# KiCad board keyboard.kicad_pcb (continued)
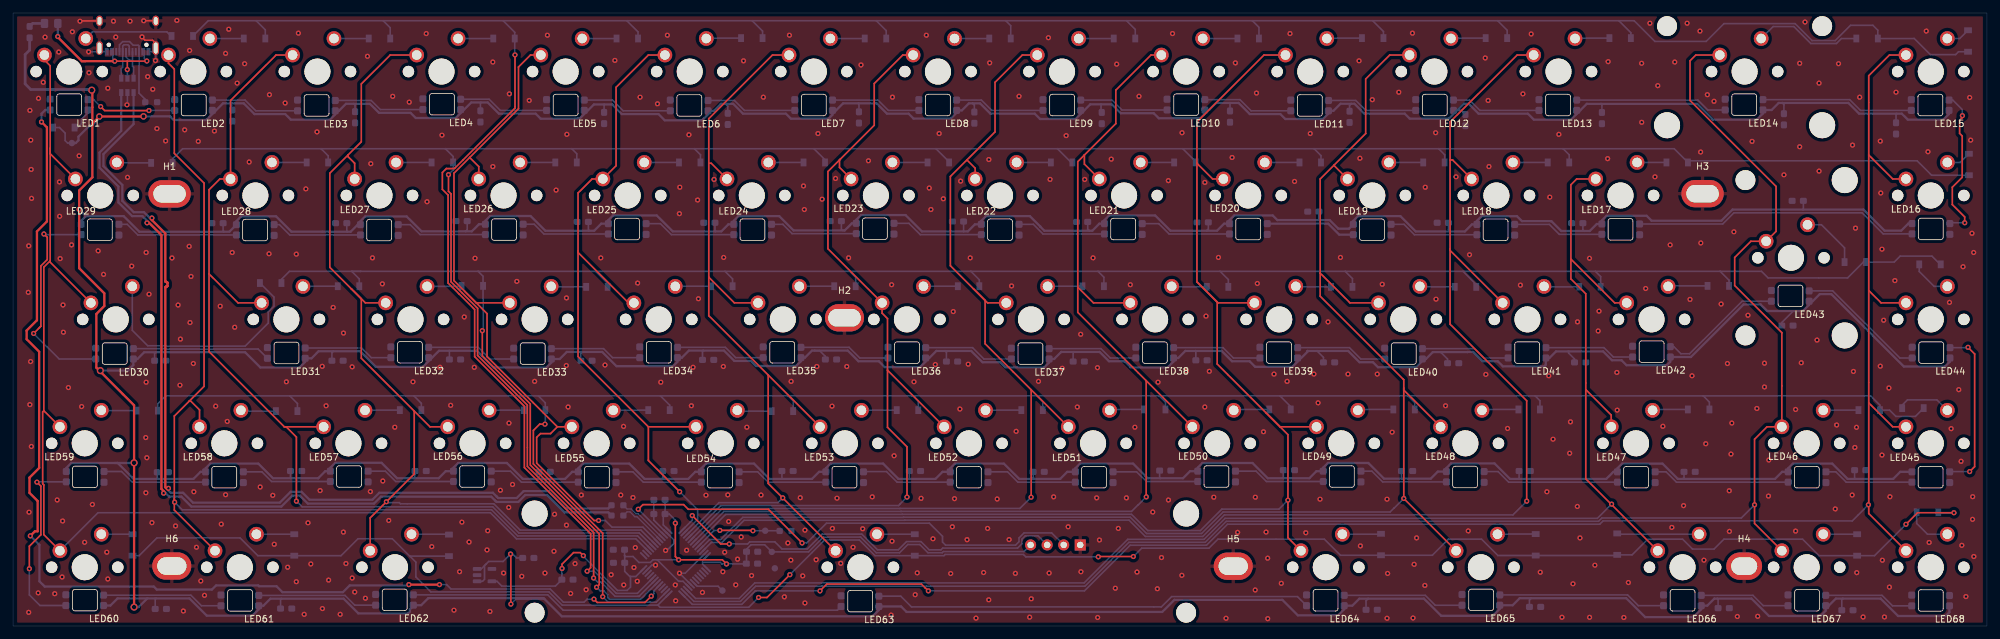
[diagram p0: board, top side]
## Routing (per net, layer and track width the routed paths; a pad name or vN(x,y) marks a point on that pad's centre or on a via; arc(x,y) is an arc through that point) (continued)
col2: length 155.6
  Top w0.25: 41.65,30.62 30.09,42.18 30.09,54.11 ; 41.65,30.62 41.92,30.62 43.5,29.04 v1(43.5,19.19) ; 41.65,30.62 K_46.1 ; 30.09,54.11 30.09,67.07 31.74,68.72 K_16.1 33.39,80.78 40.38,87.77 K_2.1 ; 30.09,54.11 34.53,49.67 K_31.1
  Bottom w0.25: v1(43.5,19.19) 44.38,18.31 73.64,18.31 77.65,14.29 96.12,14.29 U3.29
col3: length 152.6
  Top w0.25: 51.93,51.83 54.09,49.67 K_32.1 ; 51.93,51.83 48.63,55.13 48.63,69.61 51.42,72.4 ; 51.93,51.83 53.46,50.3 53.46,41.16 61.58,33.03 ; 61.58,33.03 61.58,23.38 v1(57.3,19.1) 54.82,16.62 K_61.1 ; 61.58,33.03 64,30.62 K_47.1 ; 51.42,72.4 51.42,72.15 52.44,71.13 K_17.1 ; 51.42,72.4 53.46,74.43 53.46,83.32 57.9,87.77 K_3.1
  Bottom w0.25: U3.30 96.38,14.74 77.84,14.74 73.8,18.78 59.48,18.78 59.3,18.96 57.44,18.96 v1(57.3,19.1)
col4: length 115.3
  Top w0.25: 70.09,72.02 77.59,79.51 77.59,85.93 79.42,87.77 K_4.1 ; 70.09,72.02 71.49,70.62 K_18.1 ; 70.09,72.02 67.68,69.61 67.68,53.1 69.33,51.45 ; 69.33,51.45 71.11,49.67 K_33.1 ; 69.33,51.45 72.76,48.02 72.76,41.41 83.56,30.62 ; 83.56,30.62 K_48.1 ; 83.56,30.62 82.51,29.58 80.96,29.58 80.38,28.99 80.38,25.03 89.2,16.22 v1(89.88,16.22)
  Bottom w0.25: U3.31 98.91,12.96 96.67,15.19 91.94,15.19 90.91,16.22 v1(89.88,16.22)
col5: length 109.2
  Top w0.25: 97.53,30.62 K_49.1 ; 97.53,30.62 97.53,25.44 v1(102.33,20.64) ; 97.53,30.62 86.73,41.41 86.73,57.67 ; K_5.1 97.53,87.77 92.57,82.82 92.57,70.75 K_19.1 88.89,68.72 86.73,66.56 86.73,57.67 ; 86.73,57.67 86.73,57.42 94.48,49.67 K_34.1
  Bottom w0.25: U3.38 105.09,16.4 105.09,17.87 v1(102.33,20.64)
col6: length 132.2
  Top w0.25: 106.8,53.61 110.73,49.67 K_35.1 ; 106.8,53.61 106.8,71.13 ; 106.8,53.61 106.8,47.7 115.91,38.59 ; K_6.1 116.58,87.77 106.8,77.99 106.8,71.13 ; 115.91,38.59 K_50.1 ; 115.91,38.59 115.91,21.92 118.14,19.69 ; 118.14,19.69 K_62.1 ; 118.14,19.69 v1(118.15,19.7) ; K_20.1 107.18,71.13 106.8,71.13
  Bottom w0.25: v1(118.15,19.7) 117.41,18.96 108.37,18.96 U3.39
col7: length 131.5
  Top w0.25: 134.23,39.32 134.23,30.54 137.23,27.55 v1(137.23,19.82) ; 134.23,39.32 K_51.1 ; 134.23,39.32 134.23,47.26 133.4,48.08 K_36.1 125.08,57.99 125.08,69.86 126.99,71.77 ; 126.99,71.77 132.2,76.97 132.2,83.39 136.57,87.77 K_7.1 ; 126.99,71.77 126.86,71.64 126.86,70.5 K_21.1
  Bottom w0.25: v1(137.23,19.82) 136.16,18.76 136.16,18.73 135.94,18.51 108.62,18.51 U3.40
col8: length 152.3
  Top w0.25: K_37.1 149.59,49.67 147.44,51.83 ; 156.28,36.31 K_52.1 ; 156.28,36.31 149.21,43.38 149.21,50.05 147.44,51.83 ; 156.28,36.31 156.28,19.8 v1(156.28,19.8) ; 146.42,71.64 147.69,70.37 K_22.1 ; 146.42,71.64 143.88,69.1 143.88,55.38 147.44,51.83 ; 146.42,71.64 150.74,75.96 150.74,83.58 154.93,87.77 K_8.1
  Bottom w0.25: v1(156.28,19.8) 154.55,18.07 136.13,18.07 136.12,18.06 108.88,18.06 U3.41
col9: length 174.6
  Top w0.25: 173.93,37.71 K_53.1 ; 173.93,37.71 173.93,19.87 v1(173.95,19.85) ; 173.93,37.71 163.44,48.21 163.44,52.08 ; 163.44,52.08 165.85,49.67 K_38.1 ; 163.44,52.08 163.44,71.39 164.45,72.4 ; K_23.1 164.45,71.01 164.45,72.4 ; K_9.1 174.67,87.77 169.28,82.37 169.28,77.23 164.45,72.4
  Bottom w0.25: v1(173.95,19.85) 172.73,18.63 172.71,18.63 171.7,17.62 136.32,17.62 136.31,17.61 109.14,17.61 U3.42
col10: length 209.9
  Top w0.25: 192.36,32.75 184.84,40.27 184.84,49.8 181.76,52.88 ; 192.36,32.75 194.49,30.62 K_54.1 ; 192.36,32.75 195.7,29.41 195.7,13.57 K_63.1 ; 181.73,71.13 181.73,77.48 192.01,87.77 K_10.1 ; 181.73,71.13 181.73,52.91 181.76,52.88 ; 181.73,71.13 184.14,68.72 K_24.1 ; 181.76,52.88 184.97,49.67 K_39.1
  Bottom w0.25: v1(195.7,19.34) 194.32,17.97 185.56,17.97 182.26,14.67 174.18,14.67 171.68,17.17 136.51,17.17 136.5,17.16 109.39,17.16 U3.43
col11: length 227.7
  Top w0.25: K_11.1 211.32,87.77 207.63,84.09 207.63,75.7 202.81,70.88 ; K_40.1 205.22,49.67 200.64,54.25 ; K_64.1 v1(213.48,19.6) 213.48,36.59 ; K_25.1 202.81,70.75 202.81,70.88 ; 202.81,70.88 200.64,68.71 200.64,54.25 ; 213.48,36.59 213.48,36.27 K_55.1 ; 213.48,36.59 213.48,37.86 200.64,50.69 200.64,54.25
  Bottom w0.25: v1(213.48,19.6) 212,18.13 211.98,18.13 211.37,17.52 185.75,17.52 182.45,14.22 174,14.22 171.49,16.72 136.69,16.72 136.67,16.7 112.03,16.7 108.62,13.3 106.94,13.3 U3.45
col12: length 228.2
  Top w0.25: K_41.1 220.59,57.73 220.59,58 ; 220.59,71.64 220.97,71.64 K_26.1 ; 220.59,71.64 220.59,58 ; 220.59,71.64 220.59,77.48 230.88,87.77 K_12.1 ; 220.59,58 220.59,46.39 232.35,34.63 v1(232.35,19.19)
  Bottom w0.25: v1(232.35,19.19) 230.23,17.07 185.93,17.07 182.63,13.77 173.81,13.77 171.31,16.27 136.88,16.27 136.86,16.25 112.21,16.25 108.81,12.85 107.2,12.85 U3.46
col13: length 233.3
  Top w0.25: 245.35,18.68 241.42,22.62 241.42,36.33 ; 245.35,18.68 245.35,18.71 v1(245.38,18.73) ; 245.35,18.68 K_65.1 ; 239.13,56.4 239.13,67.83 240.02,68.72 K_27.1 ; 239.13,56.4 239.13,53.35 241.42,51.07 241.42,36.33 ; 239.13,56.4 245.86,49.67 K_42.1 ; 241.42,36.33 245.32,32.43 K_56.1
  Bottom w0.25: U3.10 104.78,4.23 111.47,4.23 113.86,6.62 164.41,6.62 171.1,13.32 182.82,13.32 186.05,16.55 243.19,16.55 v1(245.38,18.73)
col14: length 268.6
  Top w0.25: K_13.1 258.31,87.77 257.42,86.88 257.42,80.78 270.63,67.58 270.63,60.67 K_28.1 266.77,59.14 264.28,56.65 264.28,52.34 271.51,45.1 K_57.1 269.23,30.62 267.32,28.71 v1(267.32,18.63) 267.32,15.76 K_66.1
  Bottom w0.25: v1(267.32,18.63) 265.29,16.6 243.88,16.6 243.38,16.1 186.23,16.1 183,12.86 171.29,12.86 164.54,6.12 140.8,6.12 140.8,6.12 140.2,6.12 140.2,6.12 124.17,6.12 124.17,6.12 114,6.12 111.66,3.78 104.52,3.78 U3.11
col15: length 293.5
  Top w0.25: 284.85,72.4 284.85,84.59 288.02,87.77 K_14.1 ; 284.85,72.4 288.53,68.72 K_29.1 ; 284.85,72.4 284.85,51.57 ; 284.85,34.3 284.85,18.68 ; 284.85,34.3 284.85,51.57 ; 284.85,34.3 288.53,30.62 K_58.1 ; 284.85,18.68 284.85,17.28 K_67.1 ; 284.85,18.68 v1(284.8,18.63) ; v1(140.5,5.4) 140.03,5.87 140,5.87 139.44,6.44 124.91,6.44 v1(123.86,5.4) ; 284.85,51.57 286.75,49.67 K_43.1
  Bottom w0.25: v1(140.5,5.4) 164.46,5.4 171.47,12.41 183.19,12.41 186.42,15.65 243.57,15.65 244.07,16.15 255.84,16.15 255.84,16.14 263.36,16.14 263.37,16.15 282.32,16.15 v1(284.8,18.63) ; v1(123.86,5.4) 113.93,5.4 111.86,3.33 104.26,3.33 U3.12
D+: length 141.4
  Top w0.35: v1(21.32,62.71) 21.32,62.4 23.38,60.33 23.38,53.04 23.38,53.01 23.39,52.97 23.41,52.94 23.44,52.91 23.47,52.89 23.51,52.88 23.58,52.87 23.61,52.86 23.65,52.84 23.67,52.81 23.69,52.78 23.7,52.75 23.71,52.71 23.71,52.34 23.7,52.31 23.69,52.27 23.67,52.24 23.65,52.21 23.61,52.19 23.58,52.18 23.51,52.17 23.47,52.16 23.44,52.14 23.41,52.11 23.39,52.08 23.38,52.05 23.38,52.01 23.38,21.32 23.54,21.16 v1(23.86,21.16)
  Bottom w0.35: R3.1 91.38,18.07 84.9,18.07 82.23,20.73 78.38,20.73 77.31,19.67 74.47,19.67 74.26,19.88 73.66,20.48 56.23,20.48 55.16,19.41 45.5,19.41 44.28,20.63 42.61,20.63 40.94,18.96 27.62,18.96 26.1,20.48 24.22,20.48 23.86,20.84 v1(23.86,21.16) ; U1.1 18.51,77.16 13.88,72.53 13.88,70.7 16.77,67.8 16.77,65.36 18.53,63.61 20.1,63.61 21,62.71 v1(21.32,62.71)
D-: length 141.5
  Top w0.35: v1(20.57,61.97) 20.89,61.97 22.78,60.09 22.78,21.07 23.11,20.74 v1(23.11,20.42)
  Bottom w0.35: R2.2 91.38,17.47 84.65,17.47 81.98,20.13 78.62,20.13 77.56,19.07 74.22,19.07 74.01,19.28 73.41,19.88 56.48,19.88 55.41,18.81 45.25,18.81 44.03,20.03 42.86,20.03 41.19,18.36 27.37,18.36 25.85,19.88 23.97,19.88 23.43,20.42 v1(23.11,20.42) ; v1(20.57,61.97) 20.57,62.29 19.85,63.01 18.28,63.01 16.17,65.11 16.17,67.55 13.28,70.45 13.28,72.78 16.61,76.11 U1.3
LED-IN: length 178.1
  Top w0.25: v1(89.17,4.13) 89.68,3.62 97,3.62 v1(97.97,4.58)
  Top w0.35: v1(2.66,13.86) 3.35,14.55 3.78,14.55 3.78,19.21 2.53,20.46 2.53,22.81 4.01,24.29 4.01,42.16 2.08,44.09 2.08,45.41 3.67,47 3.67,60.65 5.2,62.19 5.2,76.65 v1(4.37,77.48) ; v1(60.76,6.36) v1(65.46,6.36)
  Bottom w0.25: v1(89.17,4.13) 88.12,4.13 87.66,3.66 84.48,3.66 82.45,5.69 67.24,5.69 66.56,6.36 v1(65.46,6.36) ; U3.17 99.27,6.29 98.37,5.39 98.37,4.98 v1(97.97,4.58)
  Bottom w0.35: LED1.3 4.94,79.32 4.37,78.75 v1(4.37,77.48) ; v1(2.66,13.86) 4.05,12.46 4.05,6.87 4.86,6.06 21.61,6.06 22.07,5.6 30.53,5.6 31.17,6.24 37.64,6.24 37.77,6.11 40.44,6.11 41.35,5.2 50.64,5.2 51.68,6.24 60.63,6.24 v1(60.76,6.36)
MCU-D+: length 8
  Bottom w0.2: R3.2 94.25,17.99 94.89,17.99 95.64,17.24 95.97,17.24 99.59,13.63 U3.33
MCU-D-: length 7.6
  Bottom w0.2: U3.32 99.27,13.31 95.78,16.79 95.45,16.79 94.71,17.54 94.25,17.54 R2.1
NRST: length 5
  Bottom w0.25: TP3.1 108.23,6.11 105.01,6.11 U3.7
row0: length 429.7
  Top w0.25: v1(88.13,8.42) 88.67,8.96 88.67,14.18 78.5,24.35 78.5,33.77 70.86,41.4 70.86,48.65 66.78,52.73 66.78,66.25 66.77,66.26 66.77,66.26 65.9,67.12 65.9,69.71 66.51,70.32 67.75,70.32 77.05,79.62 v1(77.05,87.79)
  Bottom w0.25: D_6.1 134.04,91.52 132.51,93.04 ; 94.29,93.04 94.29,92.98 95.94,91.33 D_4.1 ; 94.29,93.04 113.46,93.04 ; 94.29,93.04 75.24,93.04 ; 152.39,93.04 170.93,93.04 ; 152.39,93.04 132.51,93.04 ; 152.39,93.04 153.15,92.28 D_7.1 ; 170.93,93.04 172.26,91.71 D_8.1 ; 170.93,93.04 190.24,93.04 ; 190.24,93.04 208.71,93.04 ; 190.24,93.04 191.25,92.03 D_9.1 ; 208.71,93.04 210.36,91.39 D_10.1 ; 208.71,93.04 227.89,93.04 ; U3.20 95.84,5.02 92.59,5.02 89.2,8.42 v1(88.13,8.42) ; D_12.1 248.34,91.2 246.5,93.04 ; 56.82,93.04 75.24,93.04 ; 56.82,93.04 37.33,93.04 ; 56.82,93.04 57.9,91.96 D_2.1 ; 75.24,93.04 77.01,91.26 D_3.1 77.01,87.83 v1(77.05,87.79) ; 227.89,93.04 246.5,93.04 ; 227.89,93.04 229.35,91.58 D_11.1 ; 113.46,93.04 132.51,93.04 ; 113.46,93.04 115.05,91.45 D_5.1 ; 37.33,93.04 29.96,93.04 27.61,90.69 ; 37.33,93.04 38.72,91.64 D_1.1 ; 246.5,93.04 248.85,93.04 252.02,89.86 259.89,89.86 262.62,92.6 273.55,92.6 276.15,89.99 279.71,89.99 282.06,92.34 285.49,92.34 286.25,91.58 D_13.1 291.84,90.31 294.31,87.83 298.19,87.83 298.63,88.28 D_14.1
row1: length 393.6
  Top w0.25: v1(89.12,7.38) 89.12,14.37 78.95,24.54 78.95,33.95 71.31,41.59 71.31,48.83 67.23,52.91 67.23,66.43 66.84,66.82 v1(66.84,69.38)
  Bottom w0.25: D_24.1 200.77,72.3 199.71,73.37 ; 199.71,73.37 218.82,73.37 ; 199.71,73.37 179.55,73.37 ; 218.82,73.37 237.94,73.37 ; 218.82,73.37 219.76,72.43 D_25.1 ; 95.96,4.57 96.17,4.57 ; 95.96,4.57 96.1,4.57 U3.19 ; 95.96,4.57 92.41,4.57 90.24,6.74 89.75,6.74 v1(89.12,7.38) ; v1(66.84,69.38) 67.55,70.09 67.55,72.17 66.36,73.37 ; D_22.1 162.42,71.26 160.31,73.37 ; D_21.1 143.69,71.35 141.67,73.37 ; 179.55,73.37 181.53,71.39 D_23.1 ; 179.55,73.37 160.31,73.37 ; 160.31,73.37 141.67,73.37 ; D_15.1 24.5,71.83 26.04,73.37 47.28,73.37 ; 237.94,73.37 254.99,73.37 D_27.1 257.35,71.51 292.28,71.51 294.5,69.29 D_29.1 ; 237.94,73.37 238.87,72.43 D_26.1 ; 141.67,73.37 122.94,73.37 ; 47.28,73.37 48.38,72.28 D_16.1 ; 47.28,73.37 66.36,73.37 ; D_19.1 105.52,72.43 104.59,73.37 ; 85.76,73.37 86.54,72.59 D_18.1 ; 85.76,73.37 66.36,73.37 ; 85.76,73.37 104.59,73.37 ; 122.94,73.37 124.64,71.67 D_20.1 ; 122.94,73.37 104.59,73.37
row2: length 358.8
  Top w0.25: v1(72.03,45.4) 72.03,41.5 79.4,34.14 79.4,24.74 89.97,14.16 89.97,6.36 v1(89.57,5.96)
  Bottom w0.25: D_42.1 263.41,53.15 262.04,54.52 ; 242.89,54.52 243.7,53.71 D_41.1 ; 242.89,54.52 222.57,54.52 ; 242.89,54.52 262.04,54.52 ; D_33.1 91.28,52.67 89.42,54.52 ; D_39.1 205.6,53.4 204.48,54.52 ; 109.29,54.52 110.45,53.35 D_34.1 ; 109.29,54.52 128.44,54.52 ; 109.29,54.52 89.42,54.52 ; 222.57,54.52 204.48,54.52 ; 222.57,54.52 224.6,52.49 D_40.1 ; D_38.1 186.55,53.25 185.28,54.52 ; 166.54,54.52 167.45,53.61 D_37.1 ; 166.54,54.52 185.28,54.52 ; 166.54,54.52 147.03,54.52 ; D_43.1 295.82,55.59 294.55,56.86 289.68,56.86 288.76,55.94 D_28.1 284.04,55.94 281.6,53.5 269.41,53.5 268.39,54.52 262.04,54.52 ; D_30.1 41.2,53.29 42.43,54.52 53.37,54.52 ; 185.28,54.52 204.48,54.52 ; 71.39,54.52 72.15,53.76 D_32.1 72.15,45.52 v1(72.03,45.4) ; 71.39,54.52 89.42,54.52 ; 71.39,54.52 53.37,54.52 ; 128.44,54.52 147.03,54.52 ; 128.44,54.52 129.35,53.61 D_35.1 ; 147.03,54.52 148.32,53.23 D_36.1 ; D_31.1 53.15,53.35 51.98,54.52 53.37,54.52 ; U3.18 96.35,4.12 91.54,4.12 91.3,4.36 91.3,4.79 90.7,5.4 90.13,5.4 v1(89.57,5.96)
row3: length 351.4
  Top w0.25: v1(81.65,31.03) 80.84,31.03 79.87,30.06 79.87,24.9 90.51,14.26 v1(90.51,4.51)
  Bottom w0.25: 214.14,35.37 233.64,35.37 ; 214.14,35.37 194.48,35.37 ; 214.14,35.37 215.18,34.33 D_54.1 ; 233.64,35.37 234.38,34.63 D_55.1 ; 233.64,35.37 259.45,35.37 ; 175.93,35.37 176.9,34.4 D_52.1 ; 175.93,35.37 194.48,35.37 ; 175.93,35.37 157.19,35.37 ; D_45.1 43.65,34.2 42.48,35.37 ; v1(90.51,4.51) 91.35,3.67 97.8,3.67 97.81,3.66 98.72,3.66 U3.14 ; D_53.1 196.13,33.72 194.48,35.37 ; 118.99,35.37 137.99,35.37 ; 118.99,35.37 99.38,35.37 ; 118.99,35.37 119.75,34.61 D_49.1 ; 137.99,35.37 138.19,35.37 138.95,34.61 D_50.1 ; 137.99,35.37 157.19,35.37 ; 157.19,35.37 158.08,34.48 D_51.1 ; 61.53,35.37 62.68,34.23 D_46.1 ; 61.53,35.37 80.63,35.37 ; 61.53,35.37 42.48,35.37 ; 99.38,35.37 100.8,33.95 D_48.1 ; 99.38,35.37 80.63,35.37 ; v1(81.65,31.03) 81.7,31.08 D_47.1 81.7,34.3 80.63,35.37 ; 42.48,35.37 23.43,35.37 22.24,34.17 D_44.1 ; 259.45,35.37 260.39,34.43 D_56.1 ; 259.45,35.37 285.15,35.37 286.58,33.95 D_57.1 288.05,33.18 289.02,32.22 292.01,32.22 D_58.1
row4: length 315.3
  Top w0.25: v1(114.44,4.38) 115.74,4.38 v1(119.24,7.89) ; v1(297.93,17.41) 292.34,17.41 v1(290.57,15.63) ; v1(166.59,10.63) 166.64,10.68 v1(171.97,10.68)
  Bottom w0.25: v1(119.24,7.89) 124.58,13.22 129.91,13.22 132.32,10.81 D_62.1 142.88,10.81 143.07,10.99 155.1,10.99 155.46,10.63 v1(166.59,10.63) ; 60.88,10.74 60.95,10.68 60.98,10.68 61.84,9.82 61.84,7.53 64.13,5.24 82.27,5.24 84.29,3.21 98.98,3.21 ; 60.88,10.74 58.22,13.41 52.95,13.41 50.34,10.81 D_60.1 37.58,10.81 34.85,13.54 22.09,13.54 19.36,10.81 D_59.1 ; 60.88,10.74 D_61.1 ; D_67.1 295.59,17.41 v1(297.93,17.41) ; 98.98,3.21 99.32,2.88 112.94,2.88 v1(114.44,4.38) ; 98.98,3.21 U3.13 ; v1(171.97,10.68) 173.26,11.96 183.57,11.96 184.95,13.35 201.28,13.35 203.76,10.87 D_63.1 217.86,10.87 220.33,13.35 225.41,13.35 227.93,10.83 D_64.1 246.14,10.83 D_65.1 248.53,10.93 250.94,13.35 256.27,13.35 257.8,11.82 261.1,11.82 262.62,13.35 274.69,13.35 277.23,10.81 D_66.1 285.74,10.81 v1(290.57,15.63)
SWCLK: length 64.7
  Top w0.25: v1(104.26,16.98) 108.62,12.61 v1(109.95,12.61)
  Bottom w0.25: v1(104.26,16.98) 104.26,16.27 103.97,15.98 103.97,15.98 U3.37 ; v1(109.95,12.61) 112.76,12.61 113.09,12.93 116.94,12.93 118.03,11.84 121.92,11.84 124.2,14.12 130.28,14.12 132.69,11.71 135.89,11.71 137.15,12.97 139.37,12.97 140.63,11.71 142.44,11.71 142.71,11.98 154.2,11.98 154.87,12.65 154.87,13.35 155.37,13.86 157.34,13.86 J2.3
SWDIO: length 78.7
  Top w0.25: v1(95.98,17.94) 96.69,18.66 102.94,18.66 103.65,17.95 115.94,17.95 v1(121.12,12.76)
  Bottom w0.25: J2.2 159.43,14.31 155.19,14.31 154.42,13.53 154.42,12.96 153.89,12.43 143.14,12.43 142.67,12.9 142.67,13.79 140.67,15.8 124.86,15.8 122.76,13.7 122.76,13.69 121.83,12.76 v1(121.12,12.76) ; 99.94,13.98 v1(95.98,17.94)
Net-(D1-Pad2): length 2.5
  Bottom w0.425: D1.2 3.01,92.63 F1.2
Net-(D_0-Pad2): length 13.8
  Bottom w0.25: K_0.2 12.18,91.33 23.61,91.33 24.25,90.69
Net-(D_1-Pad2): length 5.2
  Bottom w0.25: K_1.2 D_1.2
Net-(D_2-Pad2): length 5.3
  Bottom w0.25: 49.27,90.31 D_2.2
Net-(D_3-Pad2): length 5.4
  Bottom w0.25: K_3.2 D_3.2
Net-(D_4-Pad2): length 5.3
  Bottom w0.25: D_4.2 K_4.2
Net-(D_5-Pad2): length 5.4
  Bottom w0.25: K_5.2 106.48,90.37 D_5.2
Net-(D_6-Pad2): length 5.3
  Bottom w0.25: D_6.2 K_6.2
Net-(D_7-Pad2): length 5.3
  Bottom w0.25: D_7.2 144.52,90.31
Net-(D_8-Pad2): length 5.4
  Bottom w0.25: D_8.2 K_8.2
Net-(D_9-Pad2): length 5.3
  Bottom w0.25: D_9.2 K_9.2
Net-(D_10-Pad2): length 5.4
  Bottom w0.25: D_10.2 201.73,90.37 K_10.2
Net-(D_11-Pad2): length 5.4
  Bottom w0.25: K_11.2 220.78,90.37 D_11.2
Net-(D_12-Pad2): length 5.3
  Bottom w0.25: D_12.2 239.83,90.37 K_12.2
Net-(D_13-Pad2): length 16.8
  Bottom w0.25: K_13.2 270.18,92.14 273.36,92.14 275.96,89.54 279.89,89.54 280.66,90.31 D_13.2
Net-(D_14-Pad2): length 3.7
  Bottom w0.25: D_14.2 298.82,90.31 K_14.2
Net-(D_15-Pad2): length 5.3
  Bottom w0.25: K_15.2 15.99,71.2 D_15.2
Net-(D_16-Pad2): length 5.3
  Bottom w0.25: D_16.2 K_16.2
Net-(D_17-Pad2): length 5.5
  Bottom w0.25: D_17.2 K_17.2
Net-(D_18-Pad2): length 5.4
  Bottom w0.25: K_18.2 D_18.2
Net-(D_19-Pad2): length 5.3
  Bottom w0.25: D_19.2 K_19.2
Net-(D_20-Pad2): length 5.4
  Bottom w0.25: D_20.2 K_20.2
Net-(D_21-Pad2): length 5.4
  Bottom w0.25: D_21.2 K_21.2
Net-(D_22-Pad2): length 5.3
  Bottom w0.25: D_22.2 K_22.2
Net-(D_23-Pad2): length 5.1
  Bottom w0.25: D_23.2 K_23.2
Net-(D_24-Pad2): length 5.3
  Bottom w0.25: D_24.2 K_24.2
Net-(D_25-Pad2): length 5.3
  Bottom w0.25: D_25.2 K_25.2
Net-(D_26-Pad2): length 5.3
  Bottom w0.25: D_26.2 K_26.2
Net-(D_27-Pad2): length 4.5
  Bottom w0.25: D_27.2 K_27.2
Net-(D_28-Pad2): length 9.3
  Bottom w0.25: K_28.2 277.59,61.68 281.14,58.13 D_28.2
Net-(D_29-Pad2): length 3.9
  Bottom w0.25: D_29.2 298.88,71.26 K_29.2
Net-(D_30-Pad2): length 37.5
  Bottom w0.25: D_30.2 40.06,50.56 40.06,49.16 39.17,48.27 39.17,46.56 35.64,43.03 23.54,43.03 23.48,43.08 20.67,43.08 18.31,45.45 K_30.2
Net-(D_31-Pad2): length 5.4
  Bottom w0.25: D_31.2 44.53,52.23 K_31.2
Net-(D_32-Pad2): length 5.3
  Bottom w0.25: K_32.2 68.77,52.21 D_32.2
Net-(D_33-Pad2): length 5.4
  Bottom w0.25: K_33.2 82.68,52.13 D_33.2
Net-(D_34-Pad2): length 5.5
  Bottom w0.25: D_34.2 101.68,52.23 K_34.2
Net-(D_35-Pad2): length 5.4
  Bottom w0.25: K_35.2 120.73,52.23 D_35.2
Net-(D_36-Pad2): length 5.3
  Bottom w0.25: K_36.2 139.78,52.23 D_36.2
Net-(D_37-Pad2): length 5.4
  Bottom w0.25: K_37.2 158.83,52.23 D_37.2
Net-(D_38-Pad2): length 5.4
  Bottom w0.25: D_38.2 177.93,52.13 K_38.2
Net-(D_39-Pad2): length 5.4
  Bottom w0.25: D_39.2 196.98,52.13 K_39.2
Net-(D_40-Pad2): length 5.4
  Bottom w0.25: K_40.2 216.03,52.13 D_40.2
Net-(D_41-Pad2): length 5.4
  Bottom w0.25: K_41.2 235.08,52.13 D_41.2
Net-(D_42-Pad2): length 6.1
  Bottom w0.25: D_42.2 254.13,52.29 K_42.2
Net-(D_43-Pad2): length 6.4
  Bottom w0.25: D_43.2 292.6,54.49 294.88,52.21 K_43.2
Net-(D_44-Pad2): length 5.4
  Bottom w0.25: K_44.2 13.6,33.11 D_44.2
Net-(D_45-Pad2): length 5.4
  Bottom w0.25: D_45.2 35.1,33.03 K_45.2
Net-(D_46-Pad2): length 5.4
  Bottom w0.25: K_46.2 54.05,33.18 D_46.2
Net-(D_47-Pad2): length 5.3
  Bottom w0.25: K_47.2 73.1,33.18 D_47.2
Net-(D_48-Pad2): length 5.4
  Bottom w0.25: D_48.2 92.15,33.18 K_48.2
Net-(D_49-Pad2): length 5.3
  Bottom w0.25: K_49.2 111.3,33.03 D_49.2
Net-(D_50-Pad2): length 5.4
  Bottom w0.25: D_50.2 130.25,33.18 K_50.2
Net-(D_51-Pad2): length 5.5
  Bottom w0.25: K_51.2 149.3,33.18 D_51.2
Net-(D_52-Pad2): length 5.3
  Bottom w0.25: D_52.2 168.45,33.29 K_52.2
Net-(D_53-Pad2): length 5.5
  Bottom w0.25: K_53.2 187.5,33.29 D_53.2
Net-(D_54-Pad2): length 5.5
  Bottom w0.25: K_54.2 206.55,33.29 D_54.2
Net-(D_55-Pad2): length 5.7
  Bottom w0.25: K_55.2 225.6,33.29 D_55.2
Net-(D_56-Pad2): length 5.5
  Bottom w0.25: K_56.2 251.8,33.29 D_56.2
Net-(D_57-Pad2): length 5.4
  Bottom w0.25: 277.87,33.16 277.89,33.18 D_57.2
Net-(D_58-Pad2): length 8.4
  Bottom w0.25: D_58.2 289.98,33.95 290.79,34.76 295.31,34.76 K_58.2
Net-(D_59-Pad2): length 4.8
  Bottom w0.25: 13.55,14.11 D_59.2
Net-(D_60-Pad2): length 5.8
  Bottom w0.25: 37.36,14.11 D_60.2
Net-(D_61-Pad2): length 5.8
  Bottom w0.25: 61.17,14.11 66.85,14.11 D_61.2
Net-(D_62-Pad2): length 5.8
  Bottom w0.25: D_62.2 138.42,14.11 132.61,14.11
Net-(D_63-Pad2): length 6
  Bottom w0.25: 204.05,14.11 209.92,14.11 D_63.2
Net-(D_64-Pad2): length 5.9
  Bottom w0.25: 227.86,14.11 227.88,14.13 D_64.2
Net-(D_65-Pad2): length 12.6
  Bottom w0.25: D_65.2 246.37,14.11 258.82,14.11
Net-(D_66-Pad2): length 5.2
  Bottom w0.25: 277.87,14.11 D_66.2
Net-(D_67-Pad2): length 7.1
  Bottom w0.25: D_67.2 292.22,15.76 293.87,14.11 296.91,14.11
Net-(D_68-Pad1): length 3.8
  Bottom w0.25: D_68.1 9.9,76.62 10.51,77.23 10.51,77.89 11.48,78.86 LED1.4
Net-(J1-PadA5): length 13.6
  Bottom w0.25: J1.A5 16.34,89.34 16.83,89.83 17.89,89.83 18.44,89.28 19.21,89.28 19.34,89.15 J1.B5 19.34,81.91 20.3,80.95 R1.2
Net-(J1-PadA6): length 6.1
  Bottom w0.25: 18.34,86.94 17.9,86.94 17.34,87.5 J1.A6 ; 18.34,86.94 18.34,86.06 18.51,85.89 U1.6 ; 18.34,86.94 J1.B6
Net-(J1-PadA7): length 7.1
  Bottom w0.25: J1.A7 17.84,89.15 17.65,89.34 17.03,89.34 16.84,89.15 J1.B7 16.84,85.87 16.61,85.64 U1.4
Net-(LED1-Pad1): length 14
  Top w0.25: v1(20.87,79.23) 14.06,79.23 v1(13.45,79.84)
  Bottom w0.25: LED1.1 12.38,80.91 v1(13.45,79.84) ; v1(20.87,79.23) 20.89,79.26 LED2.3
Net-(LED2-Pad1): length 13.8
  Bottom w0.25: LED2.1 35.61,80.85 37.26,79.2 LED3.3
Net-(LED3-Pad1): length 14
  Bottom w0.25: 62.92,79.39 56.38,79.39 54.98,80.78 LED3.1
Net-(LED4-Pad1): length 13.9
  Bottom w0.25: LED4.1 73.08,80.97 74.79,79.26 LED5.3
Net-(LED5-Pad1): length 13.9
  Bottom w0.25: LED5.1 92,80.85 93.65,79.2 LED6.3
Net-(LED6-Pad1): length 14
  Bottom w0.25: LED6.1 110.73,80.78 112.26,79.26 LED7.3
Net-(LED7-Pad1): length 13.9
  Bottom w0.25: LED7.1 132.77,80.85 134.35,79.26 LED8.3
Net-(LED8-Pad1): length 13.9
  Bottom w0.25: LED9.3 150.23,79.26 148.64,80.85 LED8.1
Net-(LED10-Pad1): length 13.9
  Bottom w0.25: LED10.1 188.33,80.91 190.04,79.2 LED11.3
Net-(LED10-Pad3): length 13.9
  Bottom w0.25: LED10.3 170.23,79.32 168.71,80.85 LED9.1
Net-(LED11-Pad1): length 14
  Bottom w0.25: LED12.3 207.63,79.26 206.11,80.78 201.92,80.78
Net-(LED12-Pad1): length 13.8
  Bottom w0.25: LED13.3 225.16,79.26 223.57,80.85 LED12.1
Net-(LED13-Pad1): length 23.4
  Bottom w0.25: LED14.3 260.15,79.32 258.62,80.85 LED13.1
Net-(LED14-Pad1): length 23.5
  Bottom w0.25: LED15.3 283.58,79.26 281.93,80.91 LED14.1
Net-(LED15-Pad1): length 24.1
  Top w0.25: v1(299.23,78.45) 299.23,78.17 298.8,77.74 298.8,75.72 299.2,75.32 299.2,68.97 297.68,67.45 297.68,64.78 299.58,62.88 v1(299.58,61.99)
  Bottom w0.25: v1(299.58,61.99) 297.42,61.99 LED16.3 ; LED15.1 297.74,80.85 299.2,79.39 299.2,78.47 v1(299.23,78.45)
Net-(LED16-Pad1): length 43.9
  Bottom w0.25: LED16.1 287.07,60.27 283.83,63.51 264.15,63.51 262.43,61.8 LED17.3
Net-(LED17-Pad1): length 14
  Bottom w0.25: LED17.1 237.35,60.21 235.83,61.73 LED18.3
Net-(LED18-Pad1): length 13.9
  Bottom w0.25: LED18.1 215.11,60.15 213.51,61.75 LED19.3
Net-(LED19-Pad1): length 13.9
  Bottom w0.35: LED20.3 201.88,61.85 203.57,60.16 LED19.1
Net-(LED20-Pad1): length 14.1
  Bottom w0.25: LED20.1 177.46,60.26 175.87,61.85 LED21.3
Net-(LED21-Pad1): length 13.7
  Bottom w0.25: LED22.3 156.62,61.75 158.1,60.26 LED21.1
Net-(LED22-Pad1): length 14.1
  Bottom w0.25: LED22.1 139.26,60.16 137.52,61.9 LED23.3
Net-(LED23-Pad1): length 13.6
  Bottom w0.25: LED23.1 119.6,60.31 118.16,61.75 LED24.3
Net-(LED24-Pad1): length 14.2
  Bottom w0.25: LED25.3 99.37,61.85 101.06,60.16 LED24.1
Net-(LED25-Pad1): length 13.7
  Bottom w0.25: LED25.1 81.5,60.26 80,61.76 LED26.3
Net-(LED26-Pad1): length 14
  Bottom w0.25: LED27.3 60.96,61.7 62.49,60.17 LED26.1
Net-(LED27-Pad1): length 13.9
  Bottom w0.25: LED28.3 40.9,61.7 42.48,60.11 LED27.1
Net-(LED28-Pad1): length 18.7
  Bottom w0.25: LED29.3 17.53,61.75 19.17,60.11 LED28.1
Net-(LED29-Pad1): length 33.5
  Top w0.25: v1(4.74,60.26) 5.25,59.75 5.25,56.33 4.28,55.35 4.28,46.08 4.05,45.86 ; 4.18,45.99 4.05,45.86 ; 4.05,45.86 v1(3.16,44.97)
  Bottom w0.25: LED30.3 7.09,41.05 v1(3.16,44.97) ; LED29.1 4.84,60.16 v1(4.74,60.26)
Net-(LED30-Pad1): length 21.2
  Bottom w0.25: LED30.1 23.3,42.63 23.36,42.58 37.63,42.58 LED31.3
Net-(LED31-Pad1): length 13.8
  Bottom w0.25: LED32.3 54.99,41.25 53.51,42.73 LED31.1
Net-(LED32-Pad1): length 13.8
  Bottom w0.25: LED33.3 73.18,41.05 71.39,42.84 LED32.1
Net-(LED33-Pad1): length 14.1
  Bottom w0.25: LED34.3 92.03,41.25 90.64,42.63 LED33.1
Net-(LED34-Pad1): length 13.8
  Bottom w0.25: LED34.1 109.34,42.84 110.92,41.25 LED35.3
Net-(LED35-Pad1): length 14.1
  Bottom w0.25: LED35.1 128.34,42.84 129.97,41.2 LED36.3
Net-(LED36-Pad1): length 13.9
  Bottom w0.25: LED37.3 149.02,41.05 147.28,42.79 LED36.1
Net-(LED37-Pad1): length 13.9
  Bottom w0.25: LED38.3 168.43,41.2 166.99,42.63 LED37.1
Net-(LED38-Pad1): length 13.9
  Bottom w0.25: LED38.1 185.74,42.79 187.33,41.2 LED39.3
Net-(LED39-Pad1): length 14.1
  Bottom w0.25: LED39.1 205.14,42.79 206.88,41.05 210.55,41.05
Net-(LED40-Pad1): length 13.8
  Bottom w0.25: LED41.3 225.78,41.2 224.35,42.63 LED40.1
Net-(LED41-Pad1): length 13.9
  Bottom w0.25: LED42.3 245.65,41.35 244.21,42.79 LED41.1
Net-(LED42-Pad1): length 19.3
  Bottom w0.25: LED42.1 254.93,42.94 256.02,41.85 257.35,41.85 265.42,49.92 269.91,49.92
Net-(LED43-Pad1): length 20.1
  Bottom w0.25: LED44.3 289.63,41.2 279.32,51.51 LED43.1
Net-(LED44-Pad1): length 25.7
  Top w0.25: v1(300.09,42.84) 301.11,41.82 301.11,24.5 v1(300.34,23.74)
  Bottom w0.25: LED45.3 297.31,23.74 v1(300.34,23.74) ; LED44.1 300.04,42.79 v1(300.09,42.84)
Net-(LED45-Pad1): length 13.9
  Bottom w0.25: LED45.1 281.4,22.11 279.81,23.7 LED46.3
Net-(LED46-Pad1): length 21.1
  Bottom w0.25: LED46.1 255.34,22.11 253.75,23.7 LED47.3
Net-(LED47-Pad1): length 21.1
  Bottom w0.25: LED47.1 229.58,22.11 227.95,23.74 LED48.3
Net-(LED48-Pad1): length 13.8
  Bottom w0.25: LED49.3 208.59,23.8 210.24,22.15 LED48.1
Net-(LED49-Pad1): length 14.1
  Bottom w0.25: LED49.1 192.39,22.21 190.81,23.8 LED50.3
Net-(LED50-Pad1): length 13.6
  Bottom w0.25: LED51.3 172.47,23.7 173.95,22.21 LED50.1
Net-(LED51-Pad1): length 14.1
  Bottom w0.25: LED52.3 152.66,23.7 154.24,22.11 LED51.1
Net-(LED52-Pad1): length 14
  Bottom w0.25: LED52.1 135.7,22.11 134.08,23.74 130.58,23.74 LED53.3
Net-(LED53-Pad1): length 14
  Bottom w0.25: LED53.1 115.89,22.11 114.3,23.7 LED54.3
Net-(LED54-Pad1): length 13.8
  Bottom w0.25: LED55.3 95.15,23.7 96.74,22.11 LED54.1
Net-(LED55-Pad1): length 14.1
  Bottom w0.25: LED55.1 78.04,22.11 76.35,23.8 LED56.3
Net-(LED56-Pad1): length 13.8
  Bottom w0.25: LED57.3 57.15,23.8 58.74,22.21 LED56.1
Net-(LED57-Pad1): length 14
  Bottom w0.25: LED58.3 38.2,23.7 39.69,22.21 LED57.1
Net-(LED58-Pad1): length 16.3
  Bottom w0.25: LED58.1 18.3,22.11 16.66,23.75 LED59.3
Net-(LED59-Pad1): length 29.1
  Top w0.25: v1(2.5,8.8) 2.5,12.25 4.28,14.03 4.28,21.51 v1(3.67,22.11)
  Bottom w0.25: v1(3.67,22.11) 3.72,22.16 LED59.1 ; LED60.3 4.14,3.15 2.5,4.79 v1(2.5,8.8)
Net-(LED60-Pad1): length 18.7
  Bottom w0.25: LED61.3 28.92,3.11 27.29,4.74 LED60.1
Net-(LED61-Pad1): length 18.6
  Bottom w0.25: LED61.1 50.95,4.7 52.45,3.2 LED62.3
Net-(LED62-Pad1): length 66.9
  Bottom w0.25: LED63.3 126.54,2.43 84.44,2.43 82.08,4.79 LED62.1
Net-(LED63-Pad1): length 67.6
  Bottom w0.25: LED64.3 197.16,4.52 177.85,4.52 176.27,2.93 137.91,2.93 136.26,4.58 LED63.1
Net-(LED64-Pad1): length 18.7
  Bottom w0.25: LED65.3 218.3,3.19 216.78,4.71 LED64.1
Net-(LED65-Pad1): length 25.8
  Bottom w0.25: LED66.3 249.48,3.12 247.83,4.77 LED65.1
Net-(LED66-Pad1): length 14
  Bottom w0.25: LED66.1 267.07,4.71 268.66,3.12 LED67.3
Net-(LED67-Pad1): length 13.9
  Bottom w0.25: LED67.1 286.88,4.71 288.49,3.1 LED68.3

## Copper pours and planes (outline as drawn; the poured copper is in the pictures)
GND on Top: 302.38,0.27 0.62,0.27 0.62,93.99 302.38,93.99
GND on Bottom: 302.38,0.27 0.62,0.27 0.62,93.99 302.38,93.99

## Text on the board
B.Silkscreen: 5V | NRST | BOOT0 | 3.3V | GND | SWCLK | SWDIO
